# Altium PCB ganhuangguan2.PcbDoc
Units mil, origin at the board's own origin, x right, y up, seen from the top; angles counter-clockwise.
Board outline 7849.6 x 411.88 mil, 2 copper layers (Top Layer, Bottom Layer); 15 components, 34 nets, 31 pads, 2 vias.
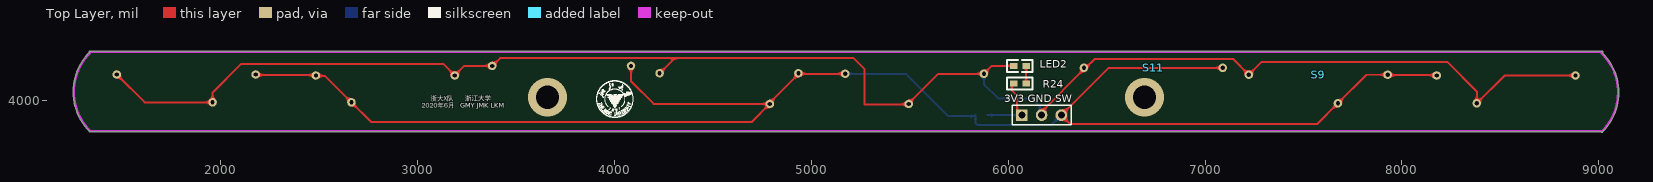
[diagram p0: Top Layer view]
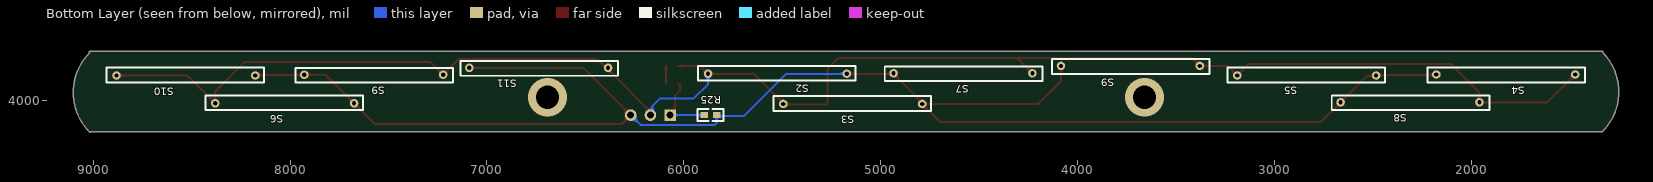
[diagram p1: Bottom Layer view, seen from below]

## Layer stack, top to bottom
Top Solder: solder mask 0.4, Solder Resist, Dk 3.5
Top Layer: signal copper 1.4
Dielectric 1: dielectric 12.6, FR-4, Dk 4.8
Bottom Layer: signal copper 1.4
Bottom Solder: solder mask 0.4, Solder Resist, Dk 3.5

## Board outline
1338.5,3839.98 cw(c1338.5,3845) 1333.57,3844.07 cw(c1338.5,3845) 1333.56,3844.16 cw(c1535.35,4043.15) 1334.07,4242.65 cw(c1338.5,4245) 1338.5,4250.01 9015.67,4250.02 cw(c9015.67,4245) 9020.68,4245 cw(c9015.67,4245) 9018.25,4240.7 cw(c8818.15,4040) 9101.55,4040 cw(c8818.15,4040) 9018.55,3839.6 cw(c9015,3843.15) 9015,3838.13 cw(c9015,3843.15) 9011.11,3839.99

## Design rules (kind name [scope] priority, off if disabled: settings)
Clearance [All] p1: gap=10 ignorepadtopadclearanceinfootprint=FALSE except(0: Arc-Hole Track-Hole SMDPad-Hole THPad-Hole Via-Hole Fill-Hole Poly-Hole Region-Hole Text-Hole)
MinimumSolderMaskSliver [All] p1: minsoldermaskwidth=2
PolygonConnect [All] p1: connectstyle=Relief reliefconductorwidth=10 reliefentries=4 polygonreliefangle="90 Angle" airgapwidth=10
RoutingVias [All] p1: holewidth=28 width=50 viastyle="Through Hole" minholewidth=28 minwidth=50 maxholewidth=28 maxwidth=50
SilkToSilkClearance [All] p1: silktosilkclearance=2
SilkToSolderMaskClearance [IsPad] p1: minsilkscreentomaskgap=2 clearancetoexposedcopper=TRUE
SolderMaskExpansion [All] p1: expansion=4
Width [All] p1: maxlimit=10 minlimit=10 preferedwidth=10
27 further rules are at their usual default settings.

## Classes and differential pairs
component class Ganhuangguan: LED2 R24 R25 S2 S3 S4 S5 S6 S7 S8 S9

## Components (designator, comment, footprint, x,y, rotation, side; value= is the part's Value field where it differs from the comment)
"3V3 GND SW" "Comment" HDR1X3 6070,3925 r0 top
LED2 "0" 0603C 6060,4175 r180 top
R24 "Res2" 0603R 6060,4085 r180 top value=2.2k
R25 "Res2" 0603C 5865,3925 r0 bottom value=10k
S2 "SW-SPST" SW_REED 5877.4,4135 r180 bottom
S3 "SW-SPST" SW_REED 5495,3981.61 r180 bottom
S4 "SW-SPST" SW_REED 1473.74,4131.26 r0 bottom
S5 "SW-SPST" SW_REED 3190,4126.26 r180 bottom
S6 "SW-SPST" SW_REED 8380,3985 r180 bottom
S7 "SW-SPST" SW_REED 4230,4137.5 r0 bottom
S8 "SW-SPST" SW_REED 1960,3990 r0 bottom
S9 "SW-SPST" SW_REED 3380,4175 r0 bottom (schematic designator S7)
S9 "SW-SPST" SW_REED 7222.52,4130 r0 top
S10 "SW-SPST" SW_REED 8881.26,4126.26 r180 bottom (schematic designator S6)
S11 "SW-SPST" SW_REED 6385,4165 r0 top (schematic designator S9)

## Footprints (in the part's own frame and the unit in brackets; to place one, negate y for a bottom-side part, rotate by r counter-clockwise, add the part's x,y. Pads: shape width x height; smd on the part's side, far side on the other; paste and mask are expansions set on the pad)
0603C [mil]
  rect 37.5x31 smd: 1(-31.25,0) 2(31.25,0)
  silkscreen extent -65,-30 65,30
0603R [mil]
  rect 37.5x31 smd: 1(-31.25,0) 2(31.25,0)
  silkscreen extent -65,-30 65,30
HDR1X3 [mm] "Connector; Header; 3 Position"
  rect 1.5x1.5 hole 0.9: 1(0,0)
  round 1.5 hole 0.9: 2(2.54,0) 3(5.08,0)
  silkscreen extent -1.27,-1.27 6.35,1.27
SW_REED [mm]
  round 1.1 hole 0.55: 1(0,0) 2(17.907,0)
  silkscreen extent -1.27,-0.89 19.05,1.02

## Part data
LED2: library part LED2, "Typical RED, GREEN, YELLOW, AMBER GaAs LED", LatestRevisionDate=17-Jul-2002, LatestRevisionNote="Re-released for DXP Platform.", PackageDescription="SM LED; 2 Flat Leads", PackageReference=3.2X1.6X1.1, PackageVersion=Feb-2002, Published=8-Jun-2000, Publisher="Altium Limited"
R24 R25: "Resistor", LatestRevisionDate=17-Jul-2002, LatestRevisionNote="Re-released for DXP Platform.", PackageDescription="Axial Device, Thru-Hole; 2 Leads; 0.4 in Pin Spacing", PackageReference=AXIAL-0.4, Published=8-Jun-2000, Publisher="Altium Limited"
S2 S3 S4 S5 S6 S7 S8 S9 S9 S10 S11: "Single-Pole, Single-Throw Switch", LatestRevisionDate=17-Jul-2002, LatestRevisionNote="Re-released for DXP Platform.", PackageDescription="Switch; 2 Leads", PackageReference=SPST-2, Published=24-Mar-1999, Publisher="Altium Limited"

## Via types
v1: diameter 196.85, hole 118.11, Top Layer to Bottom Layer, tented both sides, 2 vias

## Nets (pads, with @x,y where several pads share a name; then routed paths per layer and width w, separated by ;. In a path a pad name is that pad's centre, name@x,y a point inside that pad or via, vN(x,y) a via of type N, cw(c..) or ccw(c..) an arc to the next point about the centre after c; other vN are vias at no path point)
A3V3: "3V3 GND SW.1" R24.2 R25.2 | length 358.8
  Top Layer w10: R24.2 6019.14,4075.39 6019.14,4050.86 6045.47,4024.53 6045.47,3949.53 6070,3925
  Bottom Layer w10: R25.2 6070,3925
AGND: "3V3 GND SW.2" LED2.2 S2.1 S3.1 S4.1 S5.1 S6.1 S7.1 S8.1 S9.1 S10.1 S11.1 | length 8637.7
  Top Layer w10: S4.1 1615,3990 S8.1 1960,4040 2105,4185 3131.26,4185 S5.1 3238.74,4175 3380,4175 3420,4215 4307.5,4215 ; S7.1 4307.5,4215 ; S3.1@5480,3980 5270,3980 5270,4160 5215,4215 4307.5,4215 ; S3.1@5495,3985 5645,4135 S2.1 5917.4,4175 LED2.2 ; 6170,3942.48 S11.1@6382.52,4155 ; S11.1@6395,4165 6440,4210 7142.52,4210 7222.52,4130 7287.52,4195 8230,4195 8380,4045 S6.1 8521.26,4126.26 S10.1
  Bottom Layer w10: S2.1 5877.4,4082.6 5950,4010 6120,4010 6160.61,3969.39 6160.61,3934.39 6170,3925
IN1: 
IN2: 
IN3: 
IN4: 
IN5: 
NetC1_1: 
NetC1_2: 
NetC3_1: 
NetC3_2: 
NetC5_1: 
NetC5_2: 
NetC7_1: 
NetC7_2: 
NetLED1_1: 
NetLED2_1: LED2.1 R24.1 | length 90
  Top Layer w10: R24.1 LED2.1
NetR1_2: 
NetR2_2: 
NetR3_2: 
NetR4_1: 
NetR7_2: 
NetR8_1: 
NetR11_2: 
NetR12_2: 
NetR13_2: 
NetR14_1: 
NetR17_2: 
NetR18_1: 
OUT1: 
OUT2: 
OUT3: 
OUT4: 
SW1: "3V3 GND SW.3" R25.1 S2.2 S3.2 S4.2 S5.2 S6.2 S7.2 S8.2 S9.2 S10.2 S11.2 | length 8232.6
  Top Layer w10: S4.2 2181.24,4128.76 2482.5,4128.76 S5.2 2486.93,4124.33 2530.67,4124.33 S8.2 2765,3890 4698.39,3890 S3.2 ; S9.2@4085,4175 4085,4096.61 4200,3981.61 4784.11,3981.61 4937.5,4135 S2.2 S2.2@5169.9,4137.5 ; S11.2 6510,4165 6270,3925 6315,3880 6805,3880 7570,3880 S6.2 7820,4130 7927.52,4130 7929.39,4128.13 8174.39,4128.13 S10.2
  Bottom Layer w10: S2.2 5480,4135 5695,3920 5828.75,3920 R25.1 5833.75,3885 5843.75,3875 6220,3875 6270,3925
copper on no net:
  other v1: 3661.34,4015.75 6692.83,4015.75

## Keep-outs
Top Layer:
  lines w10: 1338.5,3845 9015.67,3845 ; 1338.5,3846.3 cw(c1535.35,4043.15) 1338.5,4240 ; 1338.5,4245 9015.67,4245 ; 9008.37,4243.26 cw(c8818.15,4040) 9015,3843.15

## Silkscreen, mask and mechanical layers (free items; w line width, h text height)
Top Overlay:
  drawing of 1340 lines, arcs and shapes, not listed
  text "浙大X队" at 3067.78,3991 h40
  text "浙江大学" at 3243.33,3991 h40
  text "2020年6月" at 3023.33,3956 h40
  text "GMY JMK LKM" at 3218.33,3956 h40
Mechanical 1:
  lines w10: 1338.5,3843.15 9015,3843.15 ccw(c8818.15,4040) 9008.37,4243.26 ; 1338.5,3846.3 cw(c1535.35,4043.15) 1341.75,4243.19 ; 1338.5,4245 9015.67,4245